# KiCad board px16_regfile.kicad_pcb (continued)
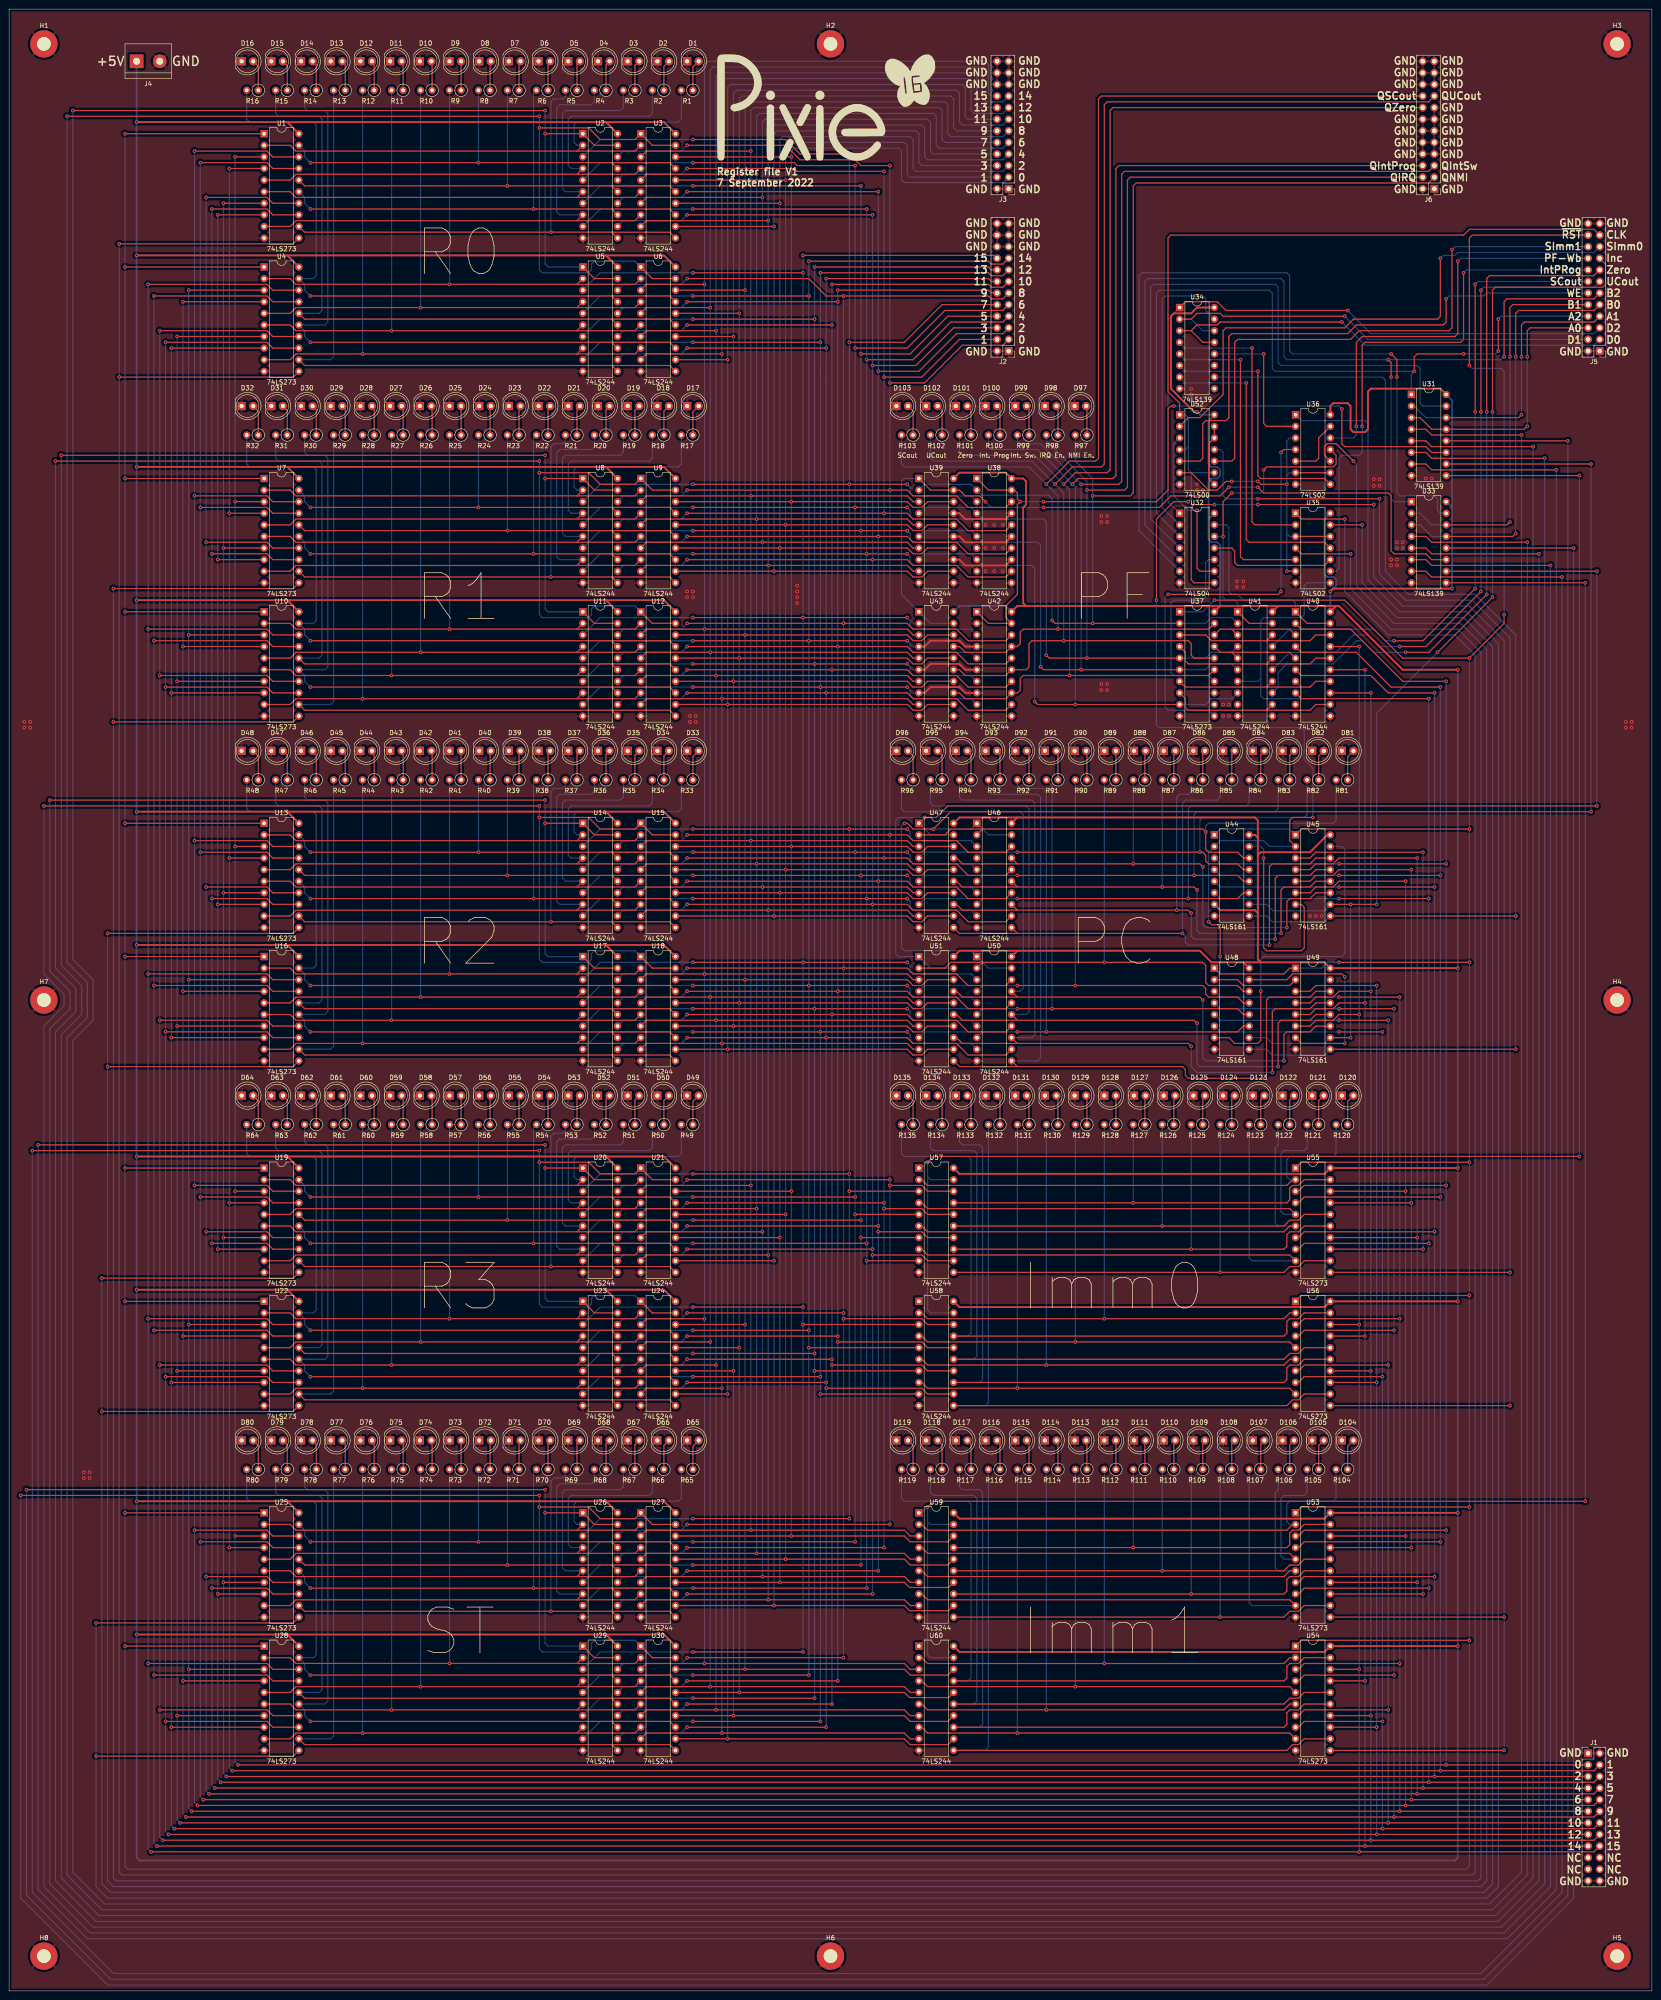
[diagram p0: board, top side]
## Placement (name value [footprint] x y rotation side) (continued)
U25  74LS273  [DIP-20_W7.62mm]  55.89 104.77 0 top
U26  74LS244  [DIP-20_W7.62mm]  125.73 104.77 0 top
U27  74LS244  [DIP-20_W7.62mm]  138.43 104.77 0 top
U28  74LS273  [DIP-20_W7.62mm]  55.89 75.56 0 top
U29  74LS244  [DIP-20_W7.62mm]  125.73 75.56 0 top
U30  74LS244  [DIP-20_W7.62mm]  138.43 75.57 0 top
U31  74LS139  [DIP-16_W7.62mm]  307.34 349.88 0 top
U32  74LS04  [DIP-14_W7.62mm]  256.54 323.85 0 top
U33  74LS139  [DIP-16_W7.62mm]  307.34 326.39 0 top
U34  74LS139  [DIP-16_W7.62mm]  256.54 368.93 0 top
U35  74LS02  [DIP-14_W7.62mm]  281.94 323.85 0 top
U36  74LS02  [DIP-14_W7.62mm]  281.95 345.44 0 top
U37  74LS273  [DIP-20_W7.62mm]  256.54 302.26 0 top
U38  74LS244  [DIP-20_W7.62mm]  212.09 331.47 0 top
U39  74LS244  [DIP-20_W7.62mm]  199.39 331.47 0 top
U40  74LS244  [DIP-20_W7.62mm]  281.94 302.26 0 top
U41  74LS244  [DIP-20_W7.62mm]  269.24 302.26 0 top
U42  74LS244  [DIP-20_W7.62mm]  212.09 302.26 0 top
U43  74LS244  [DIP-20_W7.62mm]  199.39 302.26 0 top
U44  74LS161  [DIP-16_W7.62mm]  264.16 253.36 0 top
U45  74LS161  [DIP-16_W7.62mm]  281.94 253.36 0 top
U46  74LS244  [DIP-20_W7.62mm]  212.09 255.9 0 top
U47  74LS244  [DIP-20_W7.62mm]  199.39 255.9 0 top
U48  74LS161  [DIP-16_W7.62mm]  264.16 224.15 0 top
U49  74LS161  [DIP-16_W7.62mm]  281.94 224.15 0 top
U50  74LS244  [DIP-20_W7.62mm]  212.09 226.69 0 top
U51  74LS244  [DIP-20_W7.62mm]  199.39 226.69 0 top
U52  74LS00  [DIP-14_W7.62mm]  256.54 345.44 0 top
U53  74LS273  [DIP-20_W7.62mm]  281.94 104.77 0 top
U54  74LS273  [DIP-20_W7.62mm]  281.94 75.56 0 top
U55  74LS273  [DIP-20_W7.62mm]  281.94 180.34 0 top
U56  74LS273  [DIP-20_W7.62mm]  281.94 151.13 0 top
U57  74LS244  [DIP-20_W7.62mm]  199.39 180.34 0 top
U58  74LS244  [DIP-20_W7.62mm]  199.39 151.13 0 top
U59  74LS244  [DIP-20_W7.62mm]  199.39 104.77 0 top
U60  74LS244  [DIP-20_W7.62mm]  199.39 75.56 0 top

## Footprints (pads in the part's own frame, mm; a bottom-side part is the same pattern mirrored in y, then rotated)
DIP-14_W7.62mm
  rect 1.6x1.6 hole 0.8: 1(0,0)
  oval 1.6x1.6 hole 0.8: 2(0,-2.54) 3(0,-5.08) 4(0,-7.62) 5(0,-10.16) 6(0,-12.7) 7(0,-15.24) 8(7.62,-15.24) 9(7.62,-12.7) 10(7.62,-10.16) 11(7.62,-7.62) 12(7.62,-5.08) 13(7.62,-2.54) 14(7.62,0)
DIP-16_W7.62mm
  rect 1.6x1.6 hole 0.8: 1(0,0)
  oval 1.6x1.6 hole 0.8: 2(0,-2.54) 3(0,-5.08) 4(0,-7.62) 5(0,-10.16) 6(0,-12.7) 7(0,-15.24) 8(0,-17.78) 9(7.62,-17.78) 10(7.62,-15.24) 11(7.62,-12.7) 12(7.62,-10.16) 13(7.62,-7.62) 14(7.62,-5.08) 15(7.62,-2.54) 16(7.62,0)
DIP-20_W7.62mm
  rect 1.6x1.6 hole 0.8: 1(0,0)
  oval 1.6x1.6 hole 0.8: 2(0,-2.54) 3(0,-5.08) 4(0,-7.62) 5(0,-10.16) 6(0,-12.7) 7(0,-15.24) 8(0,-17.78) 9(0,-20.32) 10(0,-22.86) 11(7.62,-22.86) 12(7.62,-20.32) 13(7.62,-17.78) 14(7.62,-15.24) 15(7.62,-12.7) 16(7.62,-10.16) 17(7.62,-7.62) 18(7.62,-5.08) 19(7.62,-2.54) 20(7.62,0)
LED_D5.0mm
  rect 1.8x1.8 hole 0.9: 1(0,0)
  round 1.8 hole 0.9: 2(2.54,0)
MountingHole_3mm_Pad
  round 6 hole 3: 1(0,0)
PinHeader_2x12_P2.54mm_Vertical
  rect 1.7x1.7 hole 1: 1(0,0)
  oval 1.7x1.7 hole 1: 2(2.54,0) 3(0,-2.54) 4(2.54,-2.54) 5(0,-5.08) 6(2.54,-5.08) 7(0,-7.62) 8(2.54,-7.62) 9(0,-10.16) 10(2.54,-10.16) 11(0,-12.7) 12(2.54,-12.7) 13(0,-15.24) 14(2.54,-15.24) 15(0,-17.78) 16(2.54,-17.78) 17(0,-20.32) 18(2.54,-20.32) 19(0,-22.86) 20(2.54,-22.86) 21(0,-25.4) 22(2.54,-25.4) 23(0,-27.94) 24(2.54,-27.94)
R_Axial_DIN0207_L6.3mm_D2.5mm_P2.54mm_Vertical
  round 1.6 hole 0.8: 1(0,0)
  oval 1.6x1.6 hole 0.8: 2(2.54,0)
TerminalBlock_bornier-2_P5.08mm
  rect 3x3 hole 1.52: 1(0,0)
  round 3 hole 1.52: 2(5.08,0)

## Nets
+5V: J4.1 U1.20 U2.20 U3.20 U4.20 U5.20 U6.20 U7.20 U8.20 U9.20 U10.20 U11.20 U12.20 U13.20 U14.20 U15.20 U16.20 U17.20 U18.20 U19.20 U20.20 U21.20 U22.20 U23.20 U24.20 U25.20 U26.20 U27.20 U28.20 U29.20 U30.20 U31.16 U32.14 U33.16 U34.16 U35.14 U36.14 U37.20 U38.20 U39.20 U40.20 U41.20 U42.20 U43.20 U44.7 U44.16 U45.16 U46.20 U47.20 U48.16 U49.16 U50.20 U51.20 U52.14 U53.20 U54.20 U55.20 U56.20 U57.20 U58.20 U59.20 U60.20
GND: D1.1 D2.1 D3.1 D4.1 D5.1 D6.1 D7.1 D8.1 D9.1 D10.1 D11.1 D12.1 D13.1 D14.1 D15.1 D16.1 D17.1 D18.1 D19.1 D20.1 D21.1 D22.1 D23.1 D24.1 D25.1 D26.1 D27.1 D28.1 D29.1 D30.1 D31.1 D32.1 D33.1 D34.1 D35.1 D36.1 D37.1 D38.1 D39.1 D40.1 D41.1 D42.1 D43.1 D44.1 D45.1 D46.1 D47.1 D48.1 D49.1 D50.1 D51.1 D52.1 D53.1 D54.1 D55.1 D56.1 D57.1 D58.1 D59.1 D60.1 D61.1 D62.1 D63.1 D64.1 D65.1 D66.1 D67.1 D68.1 D69.1 D70.1 D71.1 D72.1 D73.1 D74.1 D75.1 D76.1 D77.1 D78.1 D79.1 D80.1 D81.1 D82.1 D83.1 D84.1 D85.1 D86.1 D87.1 D88.1 D89.1 D90.1 D91.1 D92.1 D93.1 D94.1 D95.1 D96.1 D97.1 D98.1 D99.1 D100.1 D101.1 D102.1 D103.1 D104.1 D105.1 D106.1 D107.1 D108.1 D109.1 D110.1 D111.1 D112.1 D113.1 D114.1 D115.1 D116.1 D117.1 D118.1 D119.1 D120.1 D121.1 D122.1 D123.1 D124.1 D125.1 D126.1 D127.1 D128.1 D129.1 D130.1 D131.1 D132.1 D133.1 D134.1 D135.1 H1.1 H2.1 H3.1 H4.1 H5.1 H6.1 H7.1 H8.1 J1.1 J1.2 J1.23 J1.24 J2.1 J2.2 J2.19 J2.20 J2.21 J2.22 J2.23 J2.24 J3.1 J3.2 J3.19 J3.20 J3.21 J3.22 J3.23 J3.24 J4.2 J5.1 J5.2 J5.23 J5.24 J6.1 J6.2 J6.7 J6.8 J6.9 J6.10 J6.11 J6.12 J6.13 J6.14 J6.15 J6.19 J6.20 J6.21 J6.22 J6.23 J6.24 U1.10 U2.10 U3.10 U4.10 U5.10 U6.10 U7.10 U8.10 U9.10 U10.10 U11.10 U12.10 U13.10 U14.10 U15.10 U16.10 U17.10 U18.10 U19.10 U20.10 U21.10 U22.10 U23.10 U24.10 U25.10 U26.10 U27.10 U28.10 U29.10 U30.10 U31.8 U32.7 U33.8 U34.8 U35.7 U36.7 U37.10 U37.13 U38.10 U38.11 U38.13 U38.15 U38.17 U39.10 U39.11 U39.13 U39.15 U39.17 U40.10 U40.11 U41.10 U41.11 U42.2 U42.4 U42.6 U42.8 U42.10 U42.11 U43.2 U43.4 U43.6 U43.8 U43.10 U43.11 U44.8 U45.8 U46.10 U47.10 U48.8 U49.8 U50.10 U51.10 U52.7 U53.10 U54.10 U55.10 U56.10 U57.10 U58.10 U59.10 U60.10
/A0: J5.6 U31.3 U31.13
/A1: J5.7 U31.2 U31.14
/A2: J5.8 U31.1 U32.3
/B0: J5.9 U33.3 U33.13
/B1: J5.10 U33.2 U33.14
/B2: J5.11 U32.5 U33.1
/CLK: J5.21 U44.2 U45.2 U48.2 U49.2 U52.1 U52.4 U52.9
/D0: J5.3 U34.3 U34.13
/D1: J5.4 U34.2 U34.14
/D2: J5.5 U32.1 U34.1
/Db0: J1.3 U1.3 U7.3 U13.3 U19.3 U25.3 U40.2 U44.3 U53.3 U55.3
/Db1: J1.4 U1.4 U7.4 U13.4 U19.4 U25.4 U40.4 U44.4 U53.4 U55.4
/Db2: J1.5 U1.7 U7.7 U13.7 U19.7 U25.7 U40.6 U44.5 U53.7 U55.7
/Db3: J1.6 U1.8 U7.8 U13.8 U19.8 U25.8 U40.8 U44.6 U53.8 U55.8
/Db4: J1.7 U1.13 U7.13 U13.13 U19.13 U25.13 U45.3 U53.13 U55.13
/Db5: J1.8 U1.14 U7.14 U13.14 U19.14 U25.14 U45.4 U53.14 U55.14
/Db6: J1.9 U1.17 U7.17 U13.17 U19.17 U25.17 U45.5 U53.17 U55.17
/Db7: J1.10 U1.18 U7.18 U13.18 U19.18 U25.18 U45.6 U53.18 U55.18
/Db8: J1.11 U4.3 U10.3 U16.3 U22.3 U28.3 U48.3 U54.3 U56.3
/Db9: J1.12 U4.4 U10.4 U16.4 U22.4 U28.4 U48.4 U54.4 U56.4
/Db10: J1.13 U4.7 U10.7 U16.7 U22.7 U28.7 U48.5 U54.7 U56.7
/Db11: J1.14 U4.8 U10.8 U16.8 U22.8 U28.8 U48.6 U54.8 U56.8
/Db12: J1.15 U4.13 U10.13 U16.13 U22.13 U28.13 U49.3 U54.13 U56.13
/Db13: J1.16 U4.14 U10.14 U16.14 U22.14 U28.14 U40.13 U49.4 U54.14 U56.14
/Db14: J1.17 U4.17 U10.17 U16.17 U22.17 U28.17 U40.15 U49.5 U54.17 U56.17
/Db15: J1.18 U4.18 U10.18 U16.18 U22.18 U28.18 U40.17 U49.6 U54.18 U56.18
/DIntProg: U37.8 U40.12 U41.12
/DIntSw: U37.7 U40.14 U41.14
/DIRQ: U37.4 U40.16 U41.16
/DNMI: U37.3 U40.18 U41.18
/DSCout: U37.18 U40.3 U41.3
/DUCout: U37.17 U40.5 U41.5
/DZero: U35.8 U40.7 U41.7
/Imm-WEa: U32.8 U53.11 U54.11
/Imm-WEb: U52.11 U55.11 U56.11
/ImmQa0: R120.2 U55.2 U57.2
/ImmQa1: R121.2 U55.5 U57.4
/ImmQa2: R122.2 U55.6 U57.6
/ImmQa3: R123.2 U55.9 U57.8
/ImmQa4: R124.2 U55.12 U57.11
/ImmQa5: R125.2 U55.15 U57.13
/ImmQa6: R126.2 U55.16 U57.15
/ImmQa7: R127.2 U55.19 U57.17
/ImmQa8: R128.2 U56.2 U58.2
/ImmQa9: R129.2 U56.5 U58.4
/ImmQa10: R130.2 U56.6 U58.6
/ImmQa11: R131.2 U56.9 U58.8
/ImmQa12: R132.2 U56.12 U58.11
/ImmQa13: R133.2 U56.15 U58.13
/ImmQa14: R134.2 U56.16 U58.15
/ImmQa15: R135.2 U56.19 U58.17
/ImmQb0: R104.2 U53.2 U59.2
/ImmQb1: R105.2 U53.5 U59.4
/ImmQb2: R106.2 U53.6 U59.6
/ImmQb3: R107.2 U53.9 U59.8
/ImmQb4: R108.2 U53.12 U59.11
/ImmQb5: R109.2 U53.15 U59.13
/ImmQb6: R110.2 U53.16 U59.15
/ImmQb7: R111.2 U53.19 U59.17
/ImmQb8: R112.2 U54.2 U60.2
/ImmQb9: R113.2 U54.5 U60.4
/ImmQb10: R114.2 U54.6 U60.6
/ImmQb11: R115.2 U54.9 U60.8
/ImmQb12: R116.2 U54.12 U60.11
/ImmQb13: R117.2 U54.15 U60.13
/ImmQb14: R118.2 U54.16 U60.15
/ImmQb15: R119.2 U54.19 U60.17
/Inc: J5.17 U44.10 U45.10 U48.10 U49.10
/IntProg: J5.16 U35.9
/PbA0: J2.3 U2.18 U8.18 U14.18 U20.18 U26.18 U38.18 U46.18 U57.18
/PbA1: J2.4 U2.16 U8.16 U14.16 U20.16 U26.16 U38.16 U46.16 U57.16
/PbA2: J2.5 U2.14 U8.14 U14.14 U20.14 U26.14 U38.14 U46.14 U57.14
/PbA3: J2.6 U2.12 U8.12 U14.12 U20.12 U26.12 U38.12 U46.12 U57.12
/PbA4: J2.7 U2.9 U8.9 U14.9 U20.9 U26.9 U38.9 U46.9 U57.9
/PbA5: J2.8 U2.7 U8.7 U14.7 U20.7 U26.7 U38.7 U46.7 U57.7
/PbA6: J2.9 U2.5 U8.5 U14.5 U20.5 U26.5 U38.5 U46.5 U57.5
/PbA7: J2.10 U2.3 U8.3 U14.3 U20.3 U26.3 U38.3 U46.3 U57.3
/PbA8: J2.11 U5.18 U11.18 U17.18 U23.18 U29.18 U42.18 U50.18 U58.18
/PbA9: J2.12 U5.16 U11.16 U17.16 U23.16 U29.16 U42.16 U50.16 U58.16
/PbA10: J2.13 U5.14 U11.14 U17.14 U23.14 U29.14 U42.14 U50.14 U58.14
/PbA11: J2.14 U5.12 U11.12 U17.12 U23.12 U29.12 U42.12 U50.12 U58.12
/PbA12: J2.15 U5.9 U11.9 U17.9 U23.9 U29.9 U42.9 U50.9 U58.9
/PbA13: J2.16 U5.7 U11.7 U17.7 U23.7 U29.7 U42.7 U50.7 U58.7
/PbA14: J2.17 U5.5 U11.5 U17.5 U23.5 U29.5 U42.5 U50.5 U58.5
/PbA15: J2.18 U5.3 U11.3 U17.3 U23.3 U29.3 U42.3 U50.3 U58.3
/PbB0: J3.3 U3.18 U9.18 U15.18 U21.18 U27.18 U39.18 U47.18 U59.18
/PbB1: J3.4 U3.16 U9.16 U15.16 U21.16 U27.16 U39.16 U47.16 U59.16
/PbB2: J3.5 U3.14 U9.14 U15.14 U21.14 U27.14 U39.14 U47.14 U59.14
/PbB3: J3.6 U3.12 U9.12 U15.12 U21.12 U27.12 U39.12 U47.12 U59.12
/PbB4: J3.7 U3.9 U9.9 U15.9 U21.9 U27.9 U39.9 U47.9 U59.9
/PbB5: J3.8 U3.7 U9.7 U15.7 U21.7 U27.7 U39.7 U47.7 U59.7
/PbB6: J3.9 U3.5 U9.5 U15.5 U21.5 U27.5 U39.5 U47.5 U59.5
/PbB7: J3.10 U3.3 U9.3 U15.3 U21.3 U27.3 U39.3 U47.3 U59.3
/PbB8: J3.11 U6.18 U12.18 U18.18 U24.18 U30.18 U43.18 U51.18 U60.18
/PbB9: J3.12 U6.16 U12.16 U18.16 U24.16 U30.16 U43.16 U51.16 U60.16
/PbB10: J3.13 U6.14 U12.14 U18.14 U24.14 U30.14 U43.14 U51.14 U60.14
/PbB11: J3.14 U6.12 U12.12 U18.12 U24.12 U30.12 U43.12 U51.12 U60.12
/PbB12: J3.15 U6.9 U12.9 U18.9 U24.9 U30.9 U43.9 U51.9 U60.9
/PbB13: J3.16 U6.7 U12.7 U18.7 U24.7 U30.7 U43.7 U51.7 U60.7
/PbB14: J3.17 U6.5 U12.5 U18.5 U24.5 U30.5 U43.5 U51.5 U60.5
/PbB15: J3.18 U6.3 U12.3 U18.3 U24.3 U30.3 U43.3 U51.3 U60.3
/PCQ0: R81.2 U44.14 U46.2 U47.2
/PCQ1: R82.2 U44.13 U46.4 U47.4
/PCQ2: R83.2 U44.12 U46.6 U47.6
/PCQ3: R84.2 U44.11 U46.8 U47.8
/PCQ4: R85.2 U45.14 U46.11 U47.11
/PCQ5: R86.2 U45.13 U46.13 U47.13
/PCQ6: R87.2 U45.12 U46.15 U47.15
/PCQ7: R88.2 U45.11 U46.17 U47.17
/PCQ8: R89.2 U48.14 U50.2 U51.2
/PCQ9: R90.2 U48.13 U50.4 U51.4
/PCQ10: R91.2 U48.12 U50.6 U51.6
/PCQ11: R92.2 U48.11 U50.8 U51.8
/PCQ12: R93.2 U49.14 U50.11 U51.11
/PCQ13: R94.2 U49.13 U50.13 U51.13
/PCQ14: R95.2 U49.12 U50.15 U51.15
/PCQ15: R96.2 U49.11 U50.17 U51.17
/PF-Wa: U32.12 U36.11 U41.1 U41.19
/PF-Wb: J5.18 U36.12
/PF-WE: U36.4 U37.11
/QIntProg: J6.6 R100.2 U37.9 U38.8 U39.8 U41.8
/QIntSw: J6.5 R99.2 U37.6 U38.6 U39.6 U41.6
/QIRQ: J6.4 R98.2 U37.5 U38.4 U39.4 U41.4
/QNMI: J6.3 R97.2 U37.2 U38.2 U39.2 U41.2
/QSCout: J6.18 R103.2 U37.19 U42.17 U43.17
/QUCout: J6.17 R102.2 U37.16 U42.15 U43.15
/QZero: J6.16 R101.2 U37.15 U42.13 U43.13
/R0-WE: U1.11 U4.11 U35.1
/R0Q0: R1.2 U1.2 U2.2 U3.2
/R0Q1: R2.2 U1.5 U2.4 U3.4
/R0Q2: R3.2 U1.6 U2.6 U3.6
/R0Q3: R4.2 U1.9 U2.8 U3.8
/R0Q4: R5.2 U1.12 U2.11 U3.11
/R0Q5: R6.2 U1.15 U2.13 U3.13
/R0Q6: R7.2 U1.16 U2.15 U3.15
/R0Q7: R8.2 U1.19 U2.17 U3.17
/R0Q8: R9.2 U4.2 U5.2 U6.2
/R0Q9: R10.2 U4.5 U5.4 U6.4
/R0Q10: R11.2 U4.6 U5.6 U6.6
/R0Q11: R12.2 U4.9 U5.8 U6.8
/R0Q12: R13.2 U4.12 U5.11 U6.11
/R0Q13: R14.2 U4.15 U5.13 U6.13
/R0Q14: R15.2 U4.16 U5.15 U6.15
/R0Q15: R16.2 U4.19 U5.17 U6.17
/R1-WE: U7.11 U10.11 U35.4
/R1Q0: R17.2 U7.2 U8.2 U9.2
/R1Q1: R18.2 U7.5 U8.4 U9.4
/R1Q2: R19.2 U7.6 U8.6 U9.6
/R1Q3: R20.2 U7.9 U8.8 U9.8
/R1Q4: R21.2 U7.12 U8.11 U9.11
/R1Q5: R22.2 U7.15 U8.13 U9.13
/R1Q6: R23.2 U7.16 U8.15 U9.15
/R1Q7: R24.2 U7.19 U8.17 U9.17
/R1Q8: R25.2 U10.2 U11.2 U12.2
/R1Q9: R26.2 U10.5 U11.4 U12.4
/R1Q10: R27.2 U10.6 U11.6 U12.6
/R1Q11: R28.2 U10.9 U11.8 U12.8
/R1Q12: R29.2 U10.12 U11.11 U12.11
/R1Q13: R30.2 U10.15 U11.13 U12.13
/R1Q14: R31.2 U10.16 U11.15 U12.15
/R1Q15: R32.2 U10.19 U11.17 U12.17
/R2-WE: U13.11 U16.11 U36.10
/R2Q0: R33.2 U13.2 U14.2 U15.2
/R2Q1: R34.2 U13.5 U14.4 U15.4
/R2Q2: R35.2 U13.6 U14.6 U15.6
/R2Q3: R36.2 U13.9 U14.8 U15.8
/R2Q4: R37.2 U13.12 U14.11 U15.11
/R2Q5: R38.2 U13.15 U14.13 U15.13
/R2Q6: R39.2 U13.16 U14.15 U15.15
/R2Q7: R40.2 U13.19 U14.17 U15.17
/R2Q8: R41.2 U16.2 U17.2 U18.2
/R2Q9: R42.2 U16.5 U17.4 U18.4
/R2Q10: R43.2 U16.6 U17.6 U18.6
/R2Q11: R44.2 U16.9 U17.8 U18.8
/R2Q12: R45.2 U16.12 U17.11 U18.11
/R2Q13: R46.2 U16.15 U17.13 U18.13
/R2Q14: R47.2 U16.16 U17.15 U18.15
/R2Q15: R48.2 U16.19 U17.17 U18.17
/R3-WE: U19.11 U22.11 U35.13
/R3Q0: R49.2 U19.2 U20.2 U21.2
/R3Q1: R50.2 U19.5 U20.4 U21.4
/R3Q2: R51.2 U19.6 U20.6 U21.6
/R3Q3: R52.2 U19.9 U20.8 U21.8
/R3Q4: R53.2 U19.12 U20.11 U21.11
/R3Q5: R54.2 U19.15 U20.13 U21.13
/R3Q6: R55.2 U19.16 U20.15 U21.15
/R3Q7: R56.2 U19.19 U20.17 U21.17
/R3Q8: R57.2 U22.2 U23.2 U24.2
/R3Q9: R58.2 U22.5 U23.4 U24.4
/R3Q10: R59.2 U22.6 U23.6 U24.6
/R3Q11: R60.2 U22.9 U23.8 U24.8
/R3Q12: R61.2 U22.12 U23.11 U24.11
/R3Q13: R62.2 U22.15 U23.13 U24.13
/R3Q14: R63.2 U22.16 U23.15 U24.15
/R3Q15: R64.2 U22.19 U23.17 U24.17
/SCout: J5.14 U41.17
/SImm0: J5.19 U52.2
/SImm1: J5.20 U52.10
/ST-WE: U25.11 U28.11 U36.1
/STQ0: R65.2 U25.2 U26.2 U27.2
/STQ1: R66.2 U25.5 U26.4 U27.4
/STQ2: R67.2 U25.6 U26.6 U27.6
/STQ3: R68.2 U25.9 U26.8 U27.8
/STQ4: R69.2 U25.12 U26.11 U27.11
/STQ5: R70.2 U25.15 U26.13 U27.13
/STQ6: R71.2 U25.16 U26.15 U27.15
/STQ7: R72.2 U25.19 U26.17 U27.17
/STQ8: R73.2 U28.2 U29.2 U30.2
/STQ9: R74.2 U28.5 U29.4 U30.4
/STQ10: R75.2 U28.6 U29.6 U30.6
/STQ11: R76.2 U28.9 U29.8 U30.8
/STQ12: R77.2 U28.12 U29.11 U30.11
/STQ13: R78.2 U28.15 U29.13 U30.13
/STQ14: R79.2 U28.16 U29.15 U30.15
/STQ15: R80.2 U28.19 U29.17 U30.17
/UCout: J5.13 U41.15
/WE: J5.12 U52.5
/Zero: J5.15 U41.13
/~{A2}: U31.15 U32.4
/~{B2}: U32.6 U33.15
/~{D2}: U32.2 U34.15
/~{Imm-OEa}: U31.9 U57.1 U57.19 U58.1 U58.19
/~{Imm-OEb}: U33.9 U59.1 U59.19 U60.1 U60.19
/~{PC-OEa}: U31.10 U46.1 U46.19 U50.1 U50.19
/~{PC-OEb}: U33.10 U47.1 U47.19 U51.1 U51.19
/~{PC-WE}: U34.10 U44.9 U45.9 U48.9 U49.9
/~{PF-OEa}: U31.11 U38.1 U38.19 U42.1 U42.19
/~{PF-OEb}: U33.11 U39.1 U39.19 U43.1 U43.19
/~{PF-Wa}: U32.13 U40.1 U40.19
/~{PF-WE}: U34.11
/~{R0-OEa}: U2.1 U2.19 U5.1 U5.19 U31.4
/~{R0-OEb}: U3.1 U3.19 U6.1 U6.19 U33.4
/~{R0-WE}: U34.4 U35.2
/~{R1-OEa}: U8.1 U8.19 U11.1 U11.19 U31.5
/~{R1-OEb}: U9.1 U9.19 U12.1 U12.19 U33.5
/~{R1-WE}: U34.5 U35.5
/~{R2-OEa}: U14.1 U14.19 U17.1 U17.19 U31.6
/~{R2-OEb}: U15.1 U15.19 U18.1 U18.19 U33.6
/~{R2-WE}: U34.6 U36.8
/~{R3-OEa}: U20.1 U20.19 U23.1 U23.19 U31.7
/~{R3-OEb}: U21.1 U21.19 U24.1 U24.19 U33.7
/~{R3-WE}: U34.7 U35.11
/~{RST}: J5.22 U1.1 U4.1 U7.1 U10.1 U13.1 U16.1 U19.1 U22.1 U25.1 U28.1 U37.1 U44.1 U45.1 U48.1 U49.1 U53.1 U54.1 U55.1 U56.1
/~{ST-OEa}: U26.1 U26.19 U29.1 U29.19 U31.12
/~{ST-OEb}: U27.1 U27.19 U30.1 U30.19 U33.12
/~{ST-WE}: U34.12 U36.2
Net-(D1-Pad2): D1.2 R1.1
Net-(D2-Pad2): D2.2 R2.1
Net-(D3-Pad2): D3.2 R3.1
Net-(D4-Pad2): D4.2 R4.1
Net-(D5-Pad2): D5.2 R5.1
Net-(D6-Pad2): D6.2 R6.1
Net-(D7-Pad2): D7.2 R7.1
Net-(D8-Pad2): D8.2 R8.1
Net-(D9-Pad2): D9.2 R9.1
Net-(D10-Pad2): D10.2 R10.1
Net-(D11-Pad2): D11.2 R11.1
Net-(D12-Pad2): D12.2 R12.1
Net-(D13-Pad2): D13.2 R13.1
Net-(D14-Pad2): D14.2 R14.1
Net-(D15-Pad2): D15.2 R15.1
Net-(D16-Pad2): D16.2 R16.1
Net-(D17-Pad2): D17.2 R17.1
Net-(D18-Pad2): D18.2 R18.1
Net-(D19-Pad2): D19.2 R19.1
Net-(D20-Pad2): D20.2 R20.1
Net-(D21-Pad2): D21.2 R21.1
Net-(D22-Pad2): D22.2 R22.1
Net-(D23-Pad2): D23.2 R23.1
Net-(D24-Pad2): D24.2 R24.1
Net-(D25-Pad2): D25.2 R25.1
Net-(D26-Pad2): D26.2 R26.1
Net-(D27-Pad2): D27.2 R27.1
Net-(D28-Pad2): D28.2 R28.1
Net-(D29-Pad2): D29.2 R29.1
Net-(D30-Pad2): D30.2 R30.1
Net-(D31-Pad2): D31.2 R31.1
Net-(D32-Pad2): D32.2 R32.1
Net-(D33-Pad2): D33.2 R33.1
Net-(D34-Pad2): D34.2 R34.1
Net-(D35-Pad2): D35.2 R35.1
Net-(D36-Pad2): D36.2 R36.1
Net-(D37-Pad2): D37.2 R37.1
Net-(D38-Pad2): D38.2 R38.1
Net-(D39-Pad2): D39.2 R39.1
Net-(D40-Pad2): D40.2 R40.1
Net-(D41-Pad2): D41.2 R41.1
Net-(D42-Pad2): D42.2 R42.1
Net-(D43-Pad2): D43.2 R43.1
Net-(D44-Pad2): D44.2 R44.1
Net-(D45-Pad2): D45.2 R45.1
Net-(D46-Pad2): D46.2 R46.1
Net-(D47-Pad2): D47.2 R47.1
Net-(D48-Pad2): D48.2 R48.1
Net-(D49-Pad2): D49.2 R49.1
Net-(D50-Pad2): D50.2 R50.1
Net-(D51-Pad2): D51.2 R51.1
Net-(D52-Pad2): D52.2 R52.1
Net-(D53-Pad2): D53.2 R53.1
Net-(D54-Pad2): D54.2 R54.1
Net-(D55-Pad2): D55.2 R55.1
Net-(D56-Pad2): D56.2 R56.1
Net-(D57-Pad2): D57.2 R57.1
Net-(D58-Pad2): D58.2 R58.1
Net-(D59-Pad2): D59.2 R59.1
Net-(D60-Pad2): D60.2 R60.1
Net-(D61-Pad2): D61.2 R61.1
Net-(D62-Pad2): D62.2 R62.1
Net-(D63-Pad2): D63.2 R63.1
Net-(D64-Pad2): D64.2 R64.1
Net-(D65-Pad2): D65.2 R65.1
Net-(D66-Pad2): D66.2 R66.1
Net-(D67-Pad2): D67.2 R67.1
Net-(D68-Pad2): D68.2 R68.1
Net-(D69-Pad2): D69.2 R69.1
Net-(D70-Pad2): D70.2 R70.1
Net-(D71-Pad2): D71.2 R71.1
Net-(D72-Pad2): D72.2 R72.1
Net-(D73-Pad2): D73.2 R73.1
Net-(D74-Pad2): D74.2 R74.1
Net-(D75-Pad2): D75.2 R75.1
Net-(D76-Pad2): D76.2 R76.1
Net-(D77-Pad2): D77.2 R77.1
Net-(D78-Pad2): D78.2 R78.1
Net-(D79-Pad2): D79.2 R79.1
Net-(D80-Pad2): D80.2 R80.1
Net-(D81-Pad2): D81.2 R81.1
Net-(D82-Pad2): D82.2 R82.1
Net-(D83-Pad2): D83.2 R83.1
Net-(D84-Pad2): D84.2 R84.1
Net-(D85-Pad2): D85.2 R85.1
Net-(D86-Pad2): D86.2 R86.1
Net-(D87-Pad2): D87.2 R87.1
Net-(D88-Pad2): D88.2 R88.1
Net-(D89-Pad2): D89.2 R89.1
Net-(D90-Pad2): D90.2 R90.1
Net-(D91-Pad2): D91.2 R91.1
Net-(D92-Pad2): D92.2 R92.1
Net-(D93-Pad2): D93.2 R93.1
Net-(D94-Pad2): D94.2 R94.1
Net-(D95-Pad2): D95.2 R95.1
Net-(D96-Pad2): D96.2 R96.1
Net-(D97-Pad2): D97.2 R97.1
Net-(D98-Pad2): D98.2 R98.1
Net-(D99-Pad2): D99.2 R99.1
Net-(D100-Pad2): D100.2 R100.1
Net-(D101-Pad2): D101.2 R101.1
Net-(D102-Pad2): D102.2 R102.1
Net-(D103-Pad2): D103.2 R103.1
Net-(D104-Pad2): D104.2 R104.1
Net-(D105-Pad2): D105.2 R105.1
Net-(D106-Pad2): D106.2 R106.1
Net-(D107-Pad2): D107.2 R107.1
Net-(D108-Pad2): D108.2 R108.1
Net-(D109-Pad2): D109.2 R109.1
Net-(D110-Pad2): D110.2 R110.1
Net-(D111-Pad2): D111.2 R111.1
Net-(D112-Pad2): D112.2 R112.1
Net-(D113-Pad2): D113.2 R113.1
Net-(D114-Pad2): D114.2 R114.1
Net-(D115-Pad2): D115.2 R115.1
Net-(D116-Pad2): D116.2 R116.1
Net-(D117-Pad2): D117.2 R117.1
Net-(D118-Pad2): D118.2 R118.1
Net-(D119-Pad2): D119.2 R119.1
Net-(D120-Pad2): D120.2 R120.1
Net-(D121-Pad2): D121.2 R121.1
Net-(D122-Pad2): D122.2 R122.1
Net-(D123-Pad2): D123.2 R123.1
Net-(D124-Pad2): D124.2 R124.1
Net-(D125-Pad2): D125.2 R125.1
Net-(D126-Pad2): D126.2 R126.1
Net-(D127-Pad2): D127.2 R127.1
Net-(D128-Pad2): D128.2 R128.1
Net-(D129-Pad2): D129.2 R129.1
Net-(D130-Pad2): D130.2 R130.1
Net-(D131-Pad2): D131.2 R131.1
Net-(D132-Pad2): D132.2 R132.1
Net-(D133-Pad2): D133.2 R133.1
Net-(D134-Pad2): D134.2 R134.1
Net-(D135-Pad2): D135.2 R135.1
Net-(U32-Pad9): U32.9 U52.3
Net-(U32-Pad10): U32.10 U37.14
Net-(U32-Pad11): U32.11 U35.10
Net-(U35-Pad12): U35.3 U35.6 U35.12 U36.3 U36.6 U36.9 U52.6
Net-(U36-Pad13): U36.5 U36.13
Net-(U44-Pad15): U44.15 U45.7
Net-(U45-Pad15): U45.15 U48.7
Net-(U48-Pad15): U48.15 U49.7
Net-(U52-Pad12): U52.8 U52.12 U52.13

Pads without a net: J1 19 20 21 22; U34 9; U37 12; U40 9; U41 9; U49 15

## Via types
v1: diameter 0.8, hole 0.4, Top to Bottom, 853 vias

## Routing (per net, layer and track width the routed paths; a pad name or vN(x,y) marks a point on that pad's centre or on a via; arc(x,y) is an arc through that point)
+5V: length 3297.4
  Top w0.4: 133.35,377.82 130.81,380.36 ; 130.81,380.36 143.51,380.36 146.05,377.82 ; 130.81,380.36 v1(27.94,380.36) ; U44.16 273.05,253.36 273.69,252.73 ; U42.20 220.98,303.53 222.88,303.53 ; 60.96,409.57 60.96,409.57 63.51,407.03 ; 60.96,409.57 v1(27.94,409.57) ; 60.96,409.57 130.81,409.57 ; 133.35,407.03 130.81,409.57 ; 130.81,409.57 143.51,409.57 146.05,407.03 ; 273.69,236.22 273.69,248.92 ; 273.69,236.22 273.69,226.06 274.32,225.42 ; 273.69,236.22 273.05,236.85 265.43,236.85 U44.7 ; 273.69,248.92 273.69,252.73 ; 273.69,248.92 274.32,249.55 285.12,249.55 288.93,253.36 U45.16 ; 265.43,303.53 U37.20 ; 265.43,303.53 278.13,303.53 ; 265.43,303.53 222.88,303.53 ; 146.05,302.26 143.51,304.8 130.81,304.8 ; 130.81,153.67 143.51,153.67 146.05,151.13 ; 130.81,153.67 133.35,151.13 ; 130.81,153.67 v1(27.94,153.67) ; v1(317.5,224.15) U49.16 288.29,225.42 274.32,225.42 ; 130.81,78.1 143.51,78.1 U30.20 ; 130.81,78.1 U29.20 ; 130.81,78.1 60.97,78.1 ; v1(317.5,151.13) U56.20 288.29,149.86 208.28,149.86 U58.20 ; U26.20 130.81,107.31 ; 130.81,107.31 143.51,107.31 U27.20 ; 130.81,107.31 60.96,107.31 ; 60.96,334.01 v1(27.94,334.01) ; 60.96,334.01 60.96,334.01 63.51,331.46 ; 60.96,334.01 130.81,334.01 ; 63.51,255.9 60.96,258.44 60.96,258.44 ; U19.20 60.97,182.88 60.96,182.88 ; 133.35,255.9 130.81,258.44 ; 130.81,258.44 60.96,258.44 ; 130.81,258.44 143.51,258.44 146.05,255.9 ; U34.16 260.35,368.93 259.08,367.66 255.27,367.66 254.63,367.03 254.63,351.15 259.71,346.07 v1(260.35,346.07) ; v1(289.56,306.7) 290.19,307.34 v1(316.23,307.34) ; v1(27.94,229.23) 130.81,229.23 ; 220.98,227.96 260.98,227.96 263.52,225.42 270.51,225.42 ; 220.98,227.96 U50.20 ; 220.98,227.96 208.28,227.96 U51.20 ; 273.69,252.73 273.69,256.54 273.05,257.17 220.98,257.17 ; v1(317.5,289.56) 305.44,289.56 291.46,303.53 290.83,303.53 ; 274.32,225.42 270.51,225.42 ; 270.51,225.42 U48.16 ; 278.13,303.53 U41.20 ; 278.13,303.53 290.83,303.53 ; 60.96,107.31 60.97,107.31 U25.20 ; 60.96,107.31 v1(27.94,107.31) ; v1(317.5,75.56) U54.20 288.29,74.29 208.28,74.29 U60.20 ; 220.98,257.17 208.28,257.17 U47.20 ; 220.98,257.17 U46.20 ; 130.81,334.01 143.51,334.01 146.05,331.47 ; 130.81,334.01 133.35,331.47 ; 222.88,303.53 222.25,304.16 222.25,325.12 222.88,325.75 222.88,330.83 222.25,331.47 U38.20 218.44,332.74 208.28,332.74 U39.20 ; v1(317.5,180.34) U55.20 288.29,179.07 208.28,179.07 U57.20 ; 60.96,258.44 v1(27.94,258.44) ; U22.20 60.97,153.67 ; U31.16 313.69,351.15 298.45,351.15 297.81,350.52 297.81,342.26 297.18,341.63 294.64,341.63 294,342.26 294,347.34 293.37,347.98 290.19,347.98 289.57,347.35 U36.14 ; 130.81,229.23 U17.20 ; 130.81,229.23 143.51,229.23 U18.20 ; v1(317.5,104.77) U53.20 288.29,103.5 208.28,103.5 U59.20 ; 133.35,302.26 130.81,304.8 ; 130.81,304.8 v1(27.94,304.8) ; 60.96,182.88 v1(27.94,182.88) ; 60.96,182.88 130.81,182.88 ; U4.20 60.97,380.36 ; 146.05,180.34 143.51,182.88 130.81,182.88 ; U10.20 60.97,304.8 ; 60.97,78.1 v1(27.94,78.1) ; 60.97,78.1 U28.20 ; 130.81,182.88 133.35,180.34 ; 290.83,303.53 U40.20 ; 63.51,226.69 60.97,229.23
  Bottom w0.4: U37.20 265.43,303.53 265.43,316.87 264.79,317.5 263.52,317.5 262.89,318.13 262.89,322.58 ; U31.16 316.23,348.62 316.23,325.12 ; U35.14 288.29,322.58 288.29,310.51 288.93,309.88 290.19,309.88 290.83,309.25 290.83,307.97 v1(289.56,306.7) U40.20 ; U43.20 208.28,303.53 218.44,303.53 U42.20 ; 262.89,322.58 262.89,330.83 263.52,331.47 264.79,331.47 265.43,332.1 265.43,333.38 264.79,334.01 263.52,334.01 262.89,334.64 262.89,344.17 U52.14 260.98,345.44 v1(260.35,346.07) ; 262.89,322.58 U32.14 ; v1(27.94,182.88) v1(27.94,107.31) 27.94,29.21 28.57,28.57 316.87,28.57 317.5,29.21 v1(317.5,75.56) v1(317.5,104.77) v1(317.5,180.34) v1(317.5,224.15) v1(317.5,289.56) ; 316.23,325.12 v1(316.23,307.34) ; 316.23,325.12 U33.16 ; J4.1 27.94,409.58 v1(27.94,409.57) v1(27.94,334.01) v1(27.94,258.44) 27.94,182.88
GND: length 82.5
  Top w0.4: U42.4 209.55,294.64 208.28,295.91 201.93,295.91 200.66,294.64 U43.4 ; U39.15 208.28,318.77 209.55,317.5 218.44,317.5 U38.15 ; U38.17 218.44,322.58 209.55,322.58 208.28,323.85 U39.17 ; U43.6 200.66,289.56 201.93,290.83 208.28,290.83 209.55,289.56 U42.6 ; U43.8 200.66,284.48 201.93,285.75 208.28,285.75 209.55,284.48 U42.8 ; U38.13 218.44,312.42 209.55,312.42 208.28,313.69 U39.13
  vias: v1(3.33,278.13) v1(3.33,276.86) v1(4.6,278.13) v1(4.6,276.86) v1(16.35,113.66) v1(16.35,112.39) v1(17.62,113.66) v1(17.62,112.39) v1(148.59,306.7) v1(148.59,305.43) v1(149.23,279.4) v1(149.23,278.13) v1(149.86,306.7) v1(149.86,305.43) v1(150.5,279.4) v1(150.5,278.13) v1(172.72,307.97) v1(172.72,306.7) v1(172.72,305.43) v1(172.72,304.16) v1(214,321.31) v1(214,316.23) v1(214,311.15) v1(215.9,321.31) v1(215.9,316.23) v1(215.9,311.15) v1(217.81,321.31) v1(217.81,316.23) v1(217.81,311.15) v1(239.39,323.21) v1(239.39,321.94) v1(239.39,286.38) v1(239.39,285.12) v1(240.66,323.21) v1(240.66,321.94) v1(240.66,286.38) v1(240.66,285.12) v1(259.08,351.15) v1(259.08,349.88) v1(260.35,330.2) v1(260.35,328.93) v1(261.62,328.93) v1(266.06,281.94) v1(266.06,279.4) v1(267.33,281.94) v1(267.33,279.4) v1(269.08,308.93) v1(269.08,307.66) v1(270.51,308.93) v1(270.51,307.66) v1(285.12,235.58) v1(286.38,235.58) v1(287.65,235.58) v1(299.08,331.31) v1(299.08,329.88) v1(300.35,331.31) v1(300.35,329.88) v1(302.89,313.69) v1(302.89,312.42) v1(304.16,317.5) v1(304.16,316.23) v1(304.16,313.69) v1(304.16,312.42) v1(305.44,317.5) v1(305.44,316.23) v1(310.51,331.47) v1(311.78,331.47) v1(354.33,278.13) v1(354.33,276.86) v1(355.6,278.13) v1(355.6,276.86)
/A0: length 61.3
  Top w0.25: J5.6 333.38,364.49 332.74,363.85 v1(332.74,358.14) ; 307.34,344.8 309.25,344.8 311.78,342.26 332.1,342.26 v1(332.74,342.9)
  Bottom w0.25: v1(332.74,358.14) v1(332.74,342.9)
/A1: length 63.1
  Top w0.25: J5.7 347.34,365.76 332.1,365.76 331.47,365.12 v1(331.47,358.14) ; 314.96,344.8 330.83,344.8 v1(331.47,345.44)
  Bottom w0.25: U31.2 307.97,347.34 310.51,344.8 314.96,344.8 ; v1(331.47,358.14) v1(331.47,345.44)
/A2: length 183.6
  Top w0.25: v1(318.77,358.77) 308.61,358.77 307.97,358.14 v1(307.97,354.96) ; v1(326.39,359.41) v1(326.39,366.39)
  Bottom w0.25: J5.8 327.02,367.03 v1(326.39,366.39) ; U32.3 251.46,323.85 251.46,372.11 252.09,372.75 276.22,372.75 276.86,372.11 276.86,355.6 277.5,354.96 v1(307.97,354.96) 307.34,354.33 307.34,349.9 ; v1(326.39,359.41) 325.75,358.77 v1(318.77,358.77)
/B0: length 91.6
  Top w0.25: v1(330.2,319.4) 329.56,318.77 U33.13 ; J5.9 347.34,368.3 330.83,368.3 330.2,367.66 v1(330.2,358.14)
  Bottom w0.25: U33.3 309.25,321.31 311.78,318.77 U33.13 ; v1(330.2,358.14) v1(330.2,319.4)
/B1: length 87.3
  Top w0.25: U33.14 328.29,321.31 v1(328.93,321.94) ; J5.10 329.56,369.57 328.93,368.93 v1(328.93,358.14)
  Bottom w0.25: U33.14 311.78,321.31 309.25,323.85 U33.2 ; v1(328.93,358.14) v1(328.93,321.94)
/B2: length 229.7
  Top w0.25: v1(327.66,358.14) 327.66,370.2 328.29,370.84 347.34,370.84 J5.11 ; v1(302.26,357.5) 302.89,356.87 v1(302.89,353.69)
  Bottom w0.25: v1(302.89,353.69) 302.89,327.02 303.53,326.39 U33.1 ; v1(327.66,358.14) 327.02,357.5 v1(302.26,357.5) 280.03,357.5 279.4,358.14 279.4,374.65 278.76,375.28 249.56,375.28 248.92,374.65 248.92,321.31 U32.5
/CLK: length 351.8
  Top w0.25: v1(265.43,226.69) 265.43,233.04 264.79,233.68 263.52,233.68 v1(262.89,234.31) ; J5.21 347.34,386.08 320.04,386.08 318.77,384.81 254.63,384.81 254,384.17 254,350.52 256.54,347.98 U52.1 ; v1(251.46,304.8) 251.46,322.58 255.27,326.39 v1(258.44,326.39) ; U45.2 280.67,252.09 280.67,256.54 281.31,257.17 v1(285.75,257.17) ; U49.2 280.67,220.34 270.51,220.34 269.24,221.61 U48.2
  Bottom w0.25: 258.44,338.45 258.44,333.38 259.08,332.74 ; 258.44,338.45 257.81,337.82 U52.4 ; 258.44,338.45 258.44,344.8 257.81,345.44 U52.1 ; v1(258.44,326.39) 259.08,327.02 259.08,332.74 ; v1(285.75,257.17) 285.75,267.97 283.84,269.88 283.84,276.22 283.21,276.86 252.09,276.86 251.46,277.5 v1(251.46,304.8) ; U52.9 259.08,332.74 ; U48.2 265.43,222.88 v1(265.43,226.69) ; U45.2 276.22,250.82 274.95,252.09 265.43,252.09 U44.2 262.89,249.55 v1(262.89,234.31)
/D0: length 101.6
  Top w0.25: U34.13 261.62,361.31 259.08,363.85 ; 259.08,363.85 U34.3 ; 259.08,363.85 260.35,365.12 264.79,365.12 265.43,365.76 v1(292.1,365.76)
  Bottom w0.25: J5.3 347.34,360.68 297.18,360.68 v1(292.1,365.76)
/D1: length 101.1
  Top w0.25: v1(292.73,367.03) 266.06,367.03 265.43,367.66 260.35,367.66 259.08,366.39 U34.2
  Bottom w0.25: v1(292.73,367.03) 297.81,361.95 J5.4 ; U34.2 259.08,366.39 261.62,363.85 U34.14
/D2: length 143.2
  Top w0.25: v1(293.37,368.3) 266.7,368.3 264.79,370.2 257.81,370.2 U34.1
  Bottom w0.25: J5.5 347.34,363.22 298.45,363.22 v1(293.37,368.3) ; U34.1 254,366.39 254,326.39 U32.1
/Db0: length 1074.4
  Top w0.25: 55.88,326.39 49.52,326.39 ; U13.3 49.52,250.82 ; J1.3 v1(314.96,49.53) v1(50.16,49.53) ; v1(314.96,287.02) 305.44,287.02 294,298.45 283.21,298.45 U40.2 ; v1(291.46,247.01) v1(314.96,247.01) ; v1(49.53,99.69) 49.53,99.69 U25.3 ; v1(49.52,401.96) 49.52,401.95 55.88,401.95 ; U55.3 282.57,175.26 283.84,176.53 v1(314.96,176.53) ; U53.3 282.57,99.69 283.84,100.96 v1(314.96,100.96) ; 55.88,175.26 v1(49.53,175.26)
  Bottom w0.25: v1(49.52,326.39) 49.52,250.83 ; 49.53,175.28 49.53,250.82 v1(49.52,250.83) ; v1(291.46,247.01) 265.43,247.01 U44.3 ; v1(49.53,99.69) 49.53,50.16 v1(50.16,49.53) ; v1(314.96,287.02) v1(314.96,247.01) v1(314.96,176.53) v1(314.96,100.96) v1(314.96,49.53) ; v1(49.53,175.26) 49.53,99.85 ; v1(49.52,401.96) 49.52,326.4
/Db1: length 1077.4
  Top w0.25: U25.4 48.27,97.15 v1(48.26,97.15) ; v1(48.25,399.42) 48.25,399.41 55.88,399.41 ; 55.88,172.72 48.26,172.72 ; v1(313.69,173.99) 283.84,173.99 282.57,172.72 U55.4 ; v1(48.89,48.26) v1(313.69,48.26) 347.34,48.26 J1.4 ; U7.4 55.89,323.85 48.25,323.85 ; v1(313.69,98.42) 283.84,98.42 282.57,97.15 U53.4 ; v1(291.46,244.47) v1(313.69,244.47) ; v1(313.69,285.75) 302.89,285.75 295.27,293.37 283.21,293.37 U40.4 ; U13.4 48.25,248.28
  Bottom w0.25: 48.26,172.72 48.26,248.28 v1(48.25,248.29) ; U44.4 265.43,244.47 v1(291.46,244.47) ; v1(313.69,285.75) v1(313.69,244.47) v1(313.69,173.99) v1(313.69,98.42) v1(313.69,48.26) ; 48.26,323.85 48.26,399.41 v1(48.25,399.42) ; 48.26,248.28 48.26,323.85 ; v1(48.25,172.72) 48.26,172.72 v1(48.26,97.15) 48.26,48.89 v1(48.89,48.26)
  vias: v1(48.25,323.85)
/Db2: length 1068.9
  Top w0.25: U13.7 46.98,240.66 ; U40.6 283.21,288.29 298.45,288.29 302.26,284.48 v1(312.42,284.48) ; v1(46.98,391.8) 46.98,391.79 55.88,391.79 ; U53.7 282.57,89.53 283.84,90.8 v1(312.42,90.8) ; v1(47.62,46.99) v1(312.42,46.99) J1.5 ; v1(46.99,89.53) 47,89.53 U25.7 ; 55.88,165.1 v1(46.99,165.1) ; v1(312.42,166.37) 283.84,166.37 282.57,165.1 U55.7 ; v1(291.46,241.93) v1(312.42,241.93) ; 46.98,316.23 55.89,316.23 U7.7
  Bottom w0.25: v1(47.62,46.99) 46.99,47.62 v1(46.99,89.53) 46.98,89.54 46.98,165.1 ; v1(46.98,316.24) 46.98,240.67 ; 46.99,165.1 46.98,165.11 v1(46.98,240.67) ; v1(312.42,284.48) v1(312.42,241.93) v1(312.42,166.37) v1(312.42,90.8) v1(312.42,46.99) ; v1(46.98,391.8) 46.98,316.24 ; v1(291.46,241.93) 265.43,241.93 U44.5
/Db3: length 1071.7
  Top w0.25: U40.8 283.21,283.21 v1(311.15,283.21) ; 55.88,162.56 v1(45.72,162.56) ; U13.8 45.72,238.12 ; 45.72,313.69 55.89,313.69 U7.8 ; 55.88,389.25 45.72,389.25 v1(45.71,389.26) ; v1(291.46,239.39) v1(311.15,239.39) ; U25.8 45.72,86.99 v1(45.72,86.99) ; J1.6 347.34,45.72 v1(311.15,45.72) v1(46.36,45.72) ; 281.94,86.99 282.57,86.99 283.84,88.26 v1(311.15,88.26) ; U55.8 282.57,162.56 283.84,163.83 v1(311.15,163.83)
  Bottom w0.25: 45.72,238.12 45.72,313.69 ; v1(291.46,239.39) 265.43,239.39 U44.6 ; v1(45.72,162.56) v1(45.72,86.99) 45.72,46.35 v1(46.36,45.72) ; v1(311.15,45.72) v1(311.15,88.26) v1(311.15,163.83) v1(311.15,239.39) v1(311.15,283.21) ; v1(45.71,389.26) 45.72,389.25 45.72,313.69 ; 45.72,162.56 45.72,238.12
  vias: v1(45.71,313.69) v1(45.71,238.13)
